# EAGLE board Mk4 Final Panel 8up 4x2 (EAGLE 9.0.1), part 11 of 23
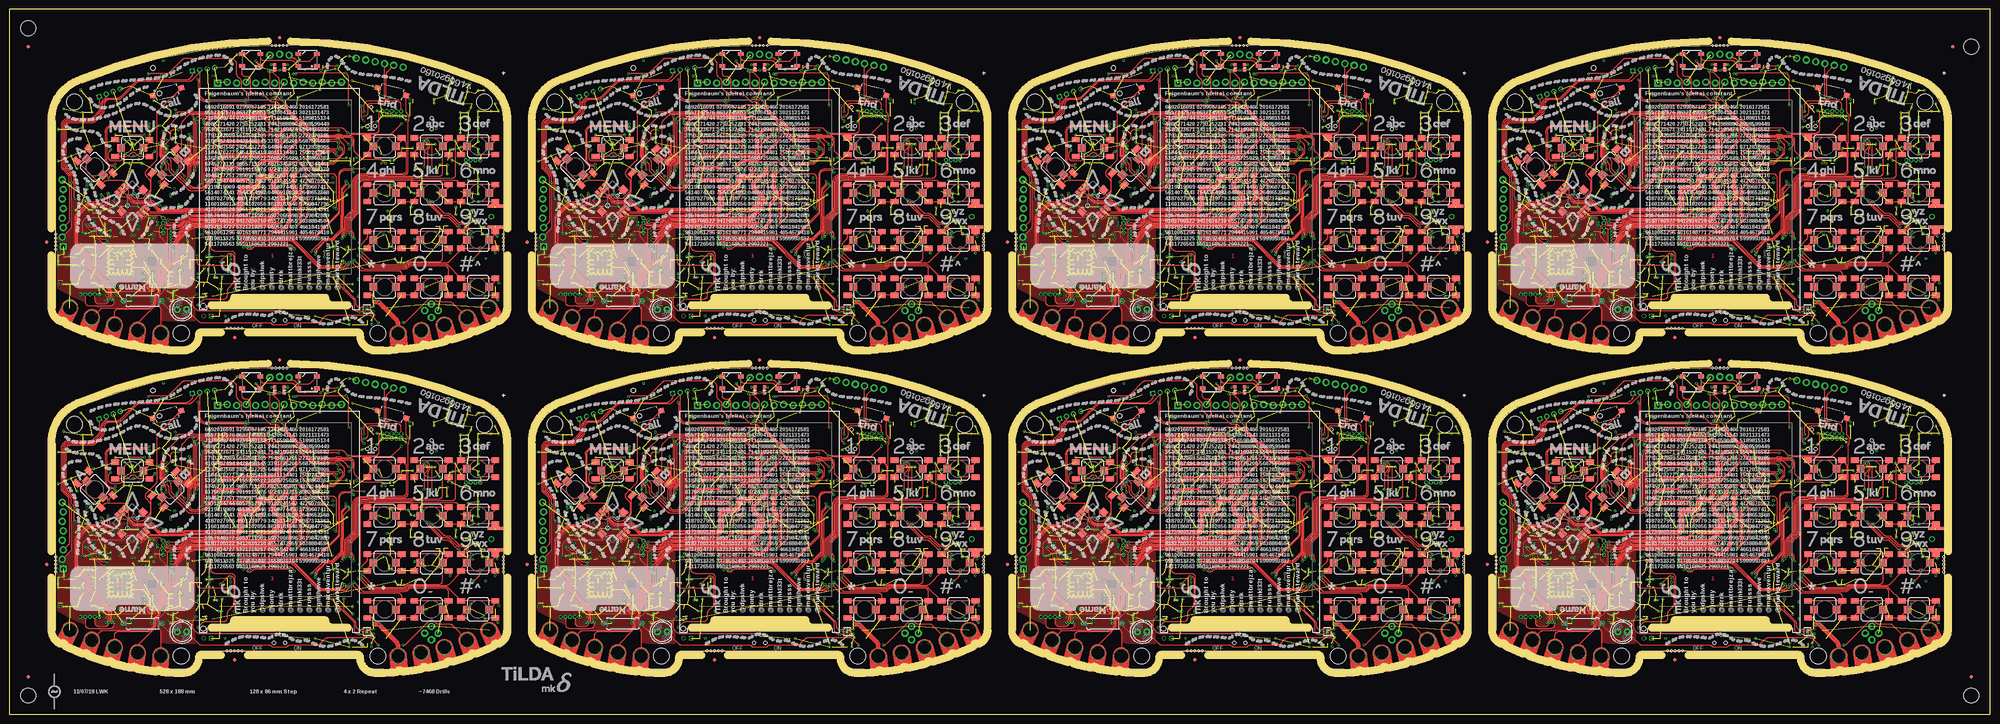
[diagram p0: board, top side]
## Tracks (layer width: path | path; a pad name or v marks a point on that pad's centre or on a via) (continued)
GMS_ANT_L2 (continued)
  Bottom 0.4: L22.2 C282.2 D6.1 128.25,132.5 J25.ANT J29.1
GMS_ANT_L3
  Bottom 0.4: L31.2 C390.2 D8.1 256.25,132.5 J35.ANT J39.1
GMS_ANT_L4
  Bottom 0.4: L40.2 C498.2 D10.1 384.25,46.5 J45.ANT J49.1
GMS_ANT_L5
  Bottom 0.4: L49.2 C606.2 D12.1 512.25,46.5 J55.ANT J59.1
GMS_ANT_L6
  Bottom 0.4: L58.2 C714.2 D14.1 384.25,132.5 J65.ANT J69.1
GMS_ANT_L7
  Bottom 0.4: L67.2 C822.2 D16.1 512.25,132.5 J75.ANT J79.1
GND  (via drill 0.3)  (433 unrouted)
  Top 0.15: IC17.3 96.3,22.65 96.25,22.6 IC17.2 | v95.3,21.5 IC17.PAD v95.3,22.5
  Top 0.2: 96.3,22.65 96.95,22.65 v97.05,22.75
  Top 0.3: S8.1 107.95,38.95 S8.A1 | S7.A1 95.45,38.95 S7.1 v97,39 | S10.A1 95.45,26 95.7,25.75 v97,25.75 S10.1 | S12.1 120.45,26.45 S12.A1 | S9.1 129.55,42.05 S9.A1 | 120.45,63.5 120.45,63.95 S3.1 v123.5,65.5 | 120.45,63.5 S3.A1 | S2.A1 107.95,63.95 S2.1 110,66 v111,66 | S1.A1 95.45,63.95 S1.1 98.25,65.5 v98.5,65.25 | S4.A1 95.45,51.45 S4.1 v98.5,53 | 107.95,51 107.95,51.45 S5.1 v108.05,53 | 107.95,51 S5.A1 | S1.A2 104.55,64.8 v104.75,65 | 120.2,63.25 120.45,63.5 | S6.A2 v125,50.75 | v123.5,53 S6.1 120.45,51.45 S6.A1 S5.A2 | 104.5,38.3 S7.A2 102.5,38.25 v102,38.75 | S8.1 109,41 | S12.A2 129.5,25.75 129.5,25.25 v130.25,24.5 | S11.A2 S12.A1 | v111,28 S11.1 107.95,26.45 S11.A1 S10.A2 | S4.A2 107.7,50.75 107.95,51 | S17.1 97.49,81.01 v97,81.5 | LED3.C v72.03,85.75 LED4.C | LED1.3 61.95,90 v60.75,90 | S3.A2 125.91,63.25 arc-45 125.21,63.54 v125,63.75 | 27.61,58.39 S13.A1 26.5,57.27 v26.5,57 25.62,57.88 S13.1 | S13.A2 21.57,65.21 arc-45 22.28,65.5 v22.5,65.5 | S12.A1 v122,25.75 | S2.A2 117.05,62.7 v118,61.75 | S8.1 109.25,40.75 v108,40.75 | S8.A2 117.5,37.8 v117.5,37 | S14.A2 v28.25,68.5 | S14.1 37.35,66.55 S14.A1 v37.35,68.5 | S16.1 38.5,78.72 v38.5,77.75 | S15.A1 40.81,55.19 v40,56 40.68,56.68 S15.1 | v46.5,60.5 47.61,61.61 S15.A2 | LED2.3 77.05,89.36 arc45 77.34,88.66 v77.4,88.6 | S9.A2 121.5,43.8 v121.5,44 | S9.A1 129.55,41.95 v130,41.5 | S9.A1 129.53,42.77 J7.G@4
  Top 0.4: S6.A2 129.53,50.73 J7.G@3
  GND@3 0.4: v34.45,40.85 31.8,38.2 v31.8,37.85 | v29.5,43.5 28.75,42.75 28.75,38.6 v29.5,37.85 | v27,43.1 27.75,42.35 27.75,38.4 v28.3,37.85
  Bottom 0.15: J2.32 68.75,50.25 | J2.31 69.25,50 | J2.30 69.75,50 | J2.29 70.25,50 | J2.28 70.75,50 | J2.27 71.25,50 | J2.26 71.75,50 | J2.25 72.25,50 | J2.24 72.75,50 | J2.23 73.25,50 | J2.22 73.75,50 | J2.21 74.25,50 | J2.20 74.75,50 | J2.19 75.25,50 | J2.18 75.75,50 | J2.17 76.25,50 | J2.16 76.75,50 | J2.15 77.25,50 | J2.14 77.75,50 | J2.13 78.25,50 | J2.12 78.75,50 | J2.11 79.25,50 | IC1.58 v65.6,68.8 | IC1.55 v65.6,67.6 | IC7.3 87.05,86 v86.85,86.2 | ANT2.3 118.79,83.9 v118.15,83.9 | v117.7,82.75 117.8,82.65 117.94,82.65 117.84,82.75 v117.7,82.75 | ANT2.2 118.05,82.4 v117.7,82.75 | ANT2.4 122.28,82.2 v122.75,82.2 | IC15.PAD v30.1,35.1 | IC15.PAD v28.9,35.1 | IC15.PAD v28.9,33.9 | IC15.PAD v30.1,33.9 | v28.9,36.3 29.5,36.9 v29.5,37.85 | v28.3,37.85 28.3,36.9 v27.7,36.3 27.75,36.35 | v31.3,36.3 31.3,37.35 v31.8,37.85 | v87.5,30.75 C102.2 88,31.5 arc90 88.5,32 88.5,32.5 arc90 88,33 IC16.2 87.46,33 arc45 87.1,32.85 86.9,32.65 arc-45 86.54,32.5 IC16.4 | C104.2 96.45,22.5 | v113.25,78 C54.2 | C57.2 v113.25,77 | C55.2 v106.75,78 | C53.2 v106.75,77 | v30.55,67.4 30.25,67.7 R74.2
  Bottom 0.2: C13.1 74.6,55.85 IC1.10 | IC1.17 71.8,56.01 arc-45 71.65,55.65 C12.1 v71.5,54.75 | IC1.48 63.46,64.8 arc-45 C10.1 | IC1.114 80.74,64.4 arc45 81.44,64.69 C9.1 | IC1.80 71.8,74.05 71.97,74.22 | X4.4 19.88,33.42 19.7,33.6 v18.9,33.6 | X4.2 21.73,29.07 v21.8,29 | IC4.23 87.8,38.75 arc-45 87.66,38.81 87.25,39.22 arc-90 87.25,39.25 | 87.25,39.25 v87.25,39.5 | IC4.24 87.25,39.25 | IC4.18 89,35.25 v88.75,35 | IC4.9 v93.25,38.25 | IC8.17 52.5,33.5 v52,33 IC8.18 | J1.GND4 123,28.05 | 96.45,22.5 arc45 v97.05,22.75 | v37.3,69.5 C106.2 | IC11.4 93.97,69.72 C78.1
  Bottom 0.25: J2.50 59.75,49.45 v60.25,49.95 | J2.49 v60.25,49.95 | J2.48 60.75,49.45 v60.25,49.95 | J2.43 63.25,50 | J2.6 v81.75,47.5 | v74,52.75 74,53.62 C14.1 74.25,54.12 C13.1 | v62,65.1 C10.1 | v82.25,64.75 C9.1 | v72,75 C11.1 71.97,74.22 | C8.1 C16.1 v73,76.45 | v61,69.25 R3.2 | C15.1 71.05,76.25 v71.65,75.65 | v81.5,20.25 S19.1 | v57.5,20.25 S20.1 | C19.1 v68.7,75 | C18.1 v64.1,75 | v77.5,76.45 C17.1 | R71.2 v31.25,27.75 | v33.35,65.95 IC13.PAD v32.8,65.5 | C46.2 44.88,27.23 | v91.45,83 C5.1 | v74.5,86 C3.1
  Bottom 0.3: 83.45,86.3 v84.15,85.6 | v38,39 R70.2 | v20.25,42.25 C60.1 | v22.5,43 22.62,42.88 C86.2 | v102.5,55.25 C69.2 | v101.5,55.25 C66.2 | v102.5,61.75 C65.2 | C67.2 v101.5,61.75 | IC5.8 106.1,54.65 v106.25,54.5 | R40.2 v100.75,52.25 | R38.2 v100.75,46.25 | R39.2 v100.75,48.25 | IC5.13 108.1,60.65 v108.25,60.5 | IC5.21 116.9,60.65 v116.75,60.5 | Q1.2 100.65,42.15 R30.2 v99.75,42 | C78.1 v94,70.5 | v98,72 97.91,72.09 JP4.5 | C71.1 v105.75,73.5 | IC12.7 99.19,61.81 R55.1 v99.25,61 | v107.5,65 C50.1 | v111,66 110.5,65.5 C49.1 | C48.1 v113.5,66 | J1.GND3 117.21,38.06 arc-45 117.5,37.36 v117.5,37 | 129.38,40.5 J1.GND2 129.5,40.59 arc-45 129.79,41.29 v130,41.5 | 130.17,38 J1.C4 129.79,37.74 arc45 129.5,37.04 v129.5,37 | v130.5,29 130.38,29 J1.GND1 | v115.25,26.25 R59.2 116.92,26.25 Q2.2 | C51.1 v126.75,25.5 | J1.C5 122.85,29.65 v123,29.5 123,28.05 | v115,29.5 115.23,29.27 116.25,29.27 J1.GND6 | C2.1 v82.25,59 | C7.1 v85,62.25 | C6.1 v85,63.5 | Q8.4 Q8.EP2 | C28.1 v57.5,54.25 | IC2.28 43.07,54.25 v44,54.25 | C24.1 v40,66.25 | IC2.46 44.2,68.7 v44.25,68.75 | C27.1 v40,71 | IC2.54 43.89,75.1 arc45 v44.25,75.25 | IC2.52 v44.25,73.5 | C26.1 v56.75,75.75 | C22.1 v57.5,73.5 | IC2.6 53.4,71.1 v53.25,71.25 | C23.1 v57.5,68.75 | C25.1 v57.5,64.75 | R15.1 v59,35.25 | R17.2 v59,36.25 | R19.2 54.15,41.5 arc45 v54.75,41.75 | v38,52 C42.1 | v38.75,52 38.75,51.5 C42.1 | v37.25,52 37.25,51.5 C42.1 | IC2.12 53.3,66.3 v53.25,66.25 | R63.2 v21.25,48.45 | R64.2 v22.25,48.45 | R51.2 v91,60.5 | v32.05,60.95 C58.2 | v114.75,60.5 114.7,60.55 IC5.19 114.7,63.2 v114.75,63.25 | R61.2 41.95,27.5 v42.2,27.75 | IC4.25 v89.5,38 | v72.6,78.55 72.67,78.55 X2.4 | X2.2 76.83,78.55 v76.95,78.55 | v88.5,87.5 C20.1
  Bottom 0.3: v90.6,89.5 R7.2 | C4.1 v82.75,80.5 | C70.1 v89.9,62.45 | J10.8 J10.4 | J8.8 J8.4 | IC2.41 42.05,64.7 v42,64.75 | J1.GND5 123.11,40.91 v123.5,41.3 122.94,41.3 arc-45 122.23,41.59 IC10.3 | IC5.33 119.3,46.95 v119,47.25 | v123.45,51.6 C72.1 | v122.7,46.5 D2.2 | v122.7,47.5 C73.1 | v17.75,36.75 C76.1 | v14.5,36.75 C77.1 | 38.55,42.8 C87.2 37.95,42.8 | IC3.2 v96.6,19 | C107.2 v90.6,18 | IC3.3 v96.6,18 | v119,49.25 119.1,49.15 IC5.31
  Bottom 0.35: v38.55,42 38.55,42.8 | v37.95,42 37.95,42.8
  Bottom 0.4: C89.2 34.1,40.5 v34.45,40.85 | v37.25,39.5 C61.2 | v38,37.75 C95.2 | C84.2 34.12,45.62 v34.25,45.5 | C84.2 v33.25,46.75 | v32,46.75 C85.2 C84.2 | C90.2 28.9,42.9 v29.5,43.5 29.4,43.4 | C88.2 v27,43.1 | v25.5,43.4 26.1,42.8 C44.2 | v40.5,34.25 C100.1 | v40.5,35.25 C101.1 | v38.25,30.75 C96.2 | C92.2 v36,33 | C59.1 v27.75,49.25 | C98.1 v22.95,33.5 | C94.2 v22.25,34.25 | C62.2 v22.25,35.25 | C99.1 v22.95,29 | R62.2 v24,27.5 | R65.2 v25,27.5 | R72.2 v26,25.75 | C97.2 v29,25.75 | C91.2 v28,25.75 | v38.5,40.75 C93.2 37.4,41.64 arc45 v37.25,42 | IC14.4 21.12,54.16 arc45 v20.75,54 | v38.25,28.75 R25.2 | v85.5,38.5 C21.1 | v50.25,30.5 50.85,30.5 C40.2 50.85,31.5 v50.25,31.5 | S18.2 71.4,21 v72.25,21 | Q8.EP2 86.4,49.35 v86.5,49.25 | v86.5,53.25 v86.5,53.24 IC6.4 | 48.75,40.75 C41.2 48.38,40.25 v47.5,40.25 | 48.62,41 v47.5,41 | C36.2 47.6,39.4 v47.5,39.5 | v47.25,37.25 47.25,36.33 C39.1 | 13,33.6 v13,33.75 ANT1.4 | ANT1.3 v13,28.75 | ANT1.2 14.25,29.7 v14.25,28.75 | C43.1 v38,25 | C43.1 37.5,25.75 v38,25.75 | C43.1 37.5,24.25 v38,24.25 | J9.4 40.94,83.81 v40.5,84.25 | C1.2 65.88,86.62 v65.75,86.75 | IC18.3 99.26,20.15 arc-45 98.56,20.44 C108.2 97.68,20.68 arc-45 v97.25,20.5 | TP17.TP 43.75,32.1 v43.6,31.95
  Bottom 0.5: v24.35,48.05 24.35,47.5 C63.2 23.35,47.5 v23.35,48.05
  Bottom 1: J5.1 93.05,26.8 C34.2 | C34.2 91.6,26.85 v91.5,26.75 | C34.2 v93,25.5 | v58.35,32 C35.2 56.65,30.85 v56.75,30.75
  other vias: 69.25,50.25 78.75,50.25 62.9,53.15 32.8,66.4 32.25,65.95 122.7,60.1 122.35,56.35 122,80 121.5,78.5 121,77 119.5,77 118,77.5 117,77.75 116.25,79 116.75,80.25 117.25,81.75 27.7,35.1 27.7,33.9 27.7,32.7 28.9,32.7 30.1,32.7 31.3,32.7 31.3,33.9 31.3,35.1 30.1,36.3 23,39.25 23,36.35 19,31.2 18.25,28.75 17.25,28.75 16.25,28.75 15.25,28.75 18,33.75 17,33.75 16,33.75 15.2,33.75 91,38 90.25,38.75 90.25,37.25 101.25,39.5 101.25,38.75 126,42 125,52.75 125,54.65 125,56.75 125,58.75 125,64.75 125,66.75 125,68.75 125,73.25 125,74.85 128.4,74.85 130.4,74.85 53.25,36 54,36 53.25,36.75 53.25,35.25 52.5,36 35.3,60.95 30.55,60.95 30.55,63.45 35.05,63.55 35.05,67.45 43.7,26.85 43.7,26.35 43.7,25.35 43.7,25.85 42.9,24.25 43.6,24.25 42.6,31.95 42.5,30.95 42.5,28.75 42.5,29.55 26.75,35.1 26.75,33.9 26.75,32.7 26.75,36.3 32.25,35.1 32.25,33.9 32.25,32.7 32.25,36.3 27.7,31.75 28.9,31.75 30.1,31.75 31.3,31.75 27.7,37.25 28.9,37.25 30.1,37.25 31.3,37.25 32.25,31.75 32.25,37.25 26.75,37.25 26.75,31.75 30.7,37.85 27.2,37.85 26.15,37.85 26.15,36.8 29.5,31.15 30.7,31.15 31.9,31.15 28.3,31.15 27.2,31.15 32.85,34.45 32.85,33.25 32.85,32.05 32.85,35.65 26.15,34.5 26.15,33.3 26.15,32.2 26.15,35.7 32.85,36.75 32.85,37.85 32.85,31.15 26.15,31.15 126.7,44 125.7,44 127.5,42 122,50.2 16.5,70 16.5,63 19.5,70.5 19.5,74.5 22,74.5 19,80.5 14.5,75.5 13,70 13,61.5 18,59.5 19.25,50.25 13,36.5 110,47.25 107,47.25 107,49.25 107,53.25 114,53.25 116.7,58.1 114,58.75 120,60.75 123.5,45.5 123.25,48.5 125,70.25 125,71.75 123,75.85 125,80.35 129.5,76.85 126.5,80.35 121.85,46.95 125,45.5 18.6,36.95 19.35,34.45 19.85,34.95 22,36.7 21,38.7 22,38.7 20.1,38.6 122.25,74.5 120.25,74.5 122.25,73 120.25,73 122.25,71.5 120.25,71.5 122.25,70 120.25,70 122.25,68.5 120.25,69 118.75,67 118.25,64.75 117.5,64.5 119.75,65 120.5,65.25 122,67 17.75,48.5 16,36.15 13,34.85 110,58.25 110,54.5 110,55.9
  pour GND@3 (isolate 0.254, rank 6): 12.2,74.5 12.2,21 arc31 44,12 46.7,12 arc90 49.5,14.8 arc-90 51.5,16.8 92.5,16.8 arc-90 94.5,14.8 arc90 97.3,12 100,12 arc31 131.8,21 131.8,44.5 125.5,44.5 125.5,74.5 131.8,74.5 arc64 125.25,82.25 arc24 72,92.5 arc24 18.75,82.25 arc55
  pour Bottom (rank 6): 79.25,48.9 79.25,50.25 79,50.5 69,50.5 68.75,50.25 68.75,48.9
  pour Bottom (isolate 0.254, rank 6): 12.2,74.5 12.2,28 arc9 23,23 23,35 25,35 25,41 23,41 23,43 arc90 22,44 21,44 arc-90 20,45 20,65.71 arc-90 32.79,78.5 40.5,78.5 44,82 102.5,81.5 arc-90 105,79 105,44.5 116.09,44.5 arc-45 116.79,44.21 119.21,41.79 arc45 119.91,41.5 131.8,41.5 131.8,44.5 125.5,44.5 125.5,74.5 131.8,74.5 arc64 125.25,82.25 arc24 72,92.5 arc24 18.75,82.25 arc55
  pour Bottom (rank 2, no thermals): 113.5,45 115,45 115,42.5 114.41,42.5 arc45 113.71,42.21 113.29,41.79 arc45 113,41.09 113,39 arc-90 112,38 101.5,38 arc-90 100.5,39 arc-90 101.5,40 109.75,40 arc90 110.75,41 110.75,41.09 arc-45 111.04,41.79 111.71,42.46 arc-45 112.41,42.75 112.59,42.75 arc45 113.29,43.04 113.5,43.25
  pour Bottom (no thermals): 63.5,51.5 63.5,50.2 63.3,50 63.2,50 63,50.2 63,51.25 62.5,51.75 62.5,53.3 62.7,53.5 63.05,53.5 63.25,53.3 63.25,51.75
  pour Bottom: 35.55,60.95 35.55,66.95 arc90 34.55,67.95 31.05,67.95 arc90 30.05,66.95 30.05,60.95 arc90 31.05,59.95 34.55,59.95 arc90
  pour Bottom (no thermals): 49.4,39 49.4,40.1 49.2,40.3 49.2,41.05 49,41.25 47.75,41.25 47.25,40.75 47.25,39.25 47.5,39
  pour Bottom (no thermals): 43.9,26.8 43.9,24.3 arc-90 43.4,23.8 42.45,23.8 arc-90 41.95,24.3 41.95,31.65 arc-90 42.45,32.15 43.55,32.15 arc-90 44.05,31.65 44.05,28.1 arc90 44.55,27.6 45.8,27.6 45.85,27.55 45.85,26.9 45.75,26.8
  pour Top (rank 6): 12.2,51 12.2,28 arc34 49,19 49.5,19 49.5,51
GND1  (via drill 0.3)  (433 unrouted)
  Top 0.15: IC34.3 224.3,22.65 224.25,22.6 IC34.2 | v223.3,21.5 IC34.PAD v223.3,22.5
  Top 0.2: 224.3,22.65 224.95,22.65 v225.05,22.75
  Top 0.3: S28.1 235.95,38.95 S28.A1 | S24.A1 223.45,38.95 S24.1 v225,39 | S25.A1 223.45,26 223.7,25.75 v225,25.75 S25.1 | S33.1 248.45,26.45 S33.A1 | S32.1 257.55,42.05 S32.A1 | 248.45,63.5 248.45,63.95 S30.1 v251.5,65.5 | 248.45,63.5 S30.A1 | S26.A1 235.95,63.95 S26.1 238,66 v239,66 | S21.A1 223.45,63.95 S21.1 226.25,65.5 v226.5,65.25 | S23.A1 223.45,51.45 S23.1 v226.5,53 | 235.95,51 235.95,51.45 S27.1 v236.05,53 | 235.95,51 S27.A1 | S21.A2 232.55,64.8 v232.75,65 | 248.2,63.25 248.45,63.5 | S31.A2 v253,50.75 | v251.5,53 S31.1 248.45,51.45 S31.A1 S27.A2 | 232.5,38.3 S24.A2 230.5,38.25 v230,38.75 | S28.1 237,41 | S33.A2 257.5,25.75 257.5,25.25 v258.25,24.5 | S29.A2 S33.A1 | v239,28 S29.1 235.95,26.45 S29.A1 S25.A2 | S23.A2 235.7,50.75 235.95,51 | S38.1 225.49,81.01 v225,81.5 | LED9.C v200.03,85.75 LED10.C | LED7.3 189.95,90 v188.75,90 | S30.A2 253.91,63.25 arc-45 253.21,63.54 v253,63.75 | 155.61,58.39 S35.A1 154.5,57.27 v154.5,57 153.62,57.88 S35.1 | S35.A2 149.57,65.21 arc-45 150.28,65.5 v150.5,65.5 | S33.A1 v250,25.75 | S26.A2 245.05,62.7 v246,61.75 | S28.1 237.25,40.75 v236,40.75 | S28.A2 245.5,37.8 v245.5,37 | S36.A2 v156.25,68.5 | S36.1 165.35,66.55 S36.A1 v165.35,68.5 | S37.1 166.5,78.72 v166.5,77.75 | S34.A1 168.81,55.19 v168,56 168.68,56.68 S34.1 | v174.5,60.5 175.61,61.61 S34.A2 | LED8.3 205.05,89.36 arc45 205.34,88.66 v205.4,88.6 | S32.A2 249.5,43.8 v249.5,44 | S32.A1 257.55,41.95 v258,41.5 | S32.A1 257.53,42.77 J19.G@4
  Top 0.4: S31.A2 257.53,50.73 J19.G@3
  GND@3 0.4: v162.45,40.85 159.8,38.2 v159.8,37.85 | v157.5,43.5 156.75,42.75 156.75,38.6 v157.5,37.85 | v155,43.1 155.75,42.35 155.75,38.4 v156.3,37.85
  Bottom 0.15: J6.32 196.75,50.25 | J6.31 197.25,50 | J6.30 197.75,50 | J6.29 198.25,50 | J6.28 198.75,50 | J6.27 199.25,50 | J6.26 199.75,50 | J6.25 200.25,50 | J6.24 200.75,50 | J6.23 201.25,50 | J6.22 201.75,50 | J6.21 202.25,50 | J6.20 202.75,50 | J6.19 203.25,50 | J6.18 203.75,50 | J6.17 204.25,50 | J6.16 204.75,50 | J6.15 205.25,50 | J6.14 205.75,50 | J6.13 206.25,50 | J6.12 206.75,50 | J6.11 207.25,50 | IC20.58 v193.6,68.8 | IC20.55 v193.6,67.6 | IC23.3 215.05,86 v214.85,86.2 | ANT4.3 246.79,83.9 v246.15,83.9 | v245.7,82.75 245.8,82.65 245.94,82.65 245.84,82.75 v245.7,82.75 | ANT4.2 246.05,82.4 v245.7,82.75 | ANT4.4 250.28,82.2 v250.75,82.2 | IC29.PAD v158.1,35.1 | IC29.PAD v156.9,35.1 | IC29.PAD v156.9,33.9 | IC29.PAD v158.1,33.9 | v156.9,36.3 157.5,36.9 v157.5,37.85 | v156.3,37.85 156.3,36.9 v155.7,36.3 155.75,36.35 | v159.3,36.3 159.3,37.35 v159.8,37.85 | v215.5,30.75 C210.2 216,31.5 arc90 216.5,32 216.5,32.5 arc90 216,33 IC32.2 215.46,33 arc45 215.1,32.85 214.9,32.65 arc-45 214.54,32.5 IC32.4 | C212.2 224.45,22.5 | v241.25,78 C161.2 | C164.2 v241.25,77 | C162.2 v234.75,78 | C160.2 v234.75,77 | v158.55,67.4 158.25,67.7 R155.2
  Bottom 0.2: C123.1 202.6,55.85 IC20.10 | IC20.17 199.8,56.01 arc-45 199.65,55.65 C122.1 v199.5,54.75 | IC20.48 191.46,64.8 arc-45 C120.1 | IC20.114 208.74,64.4 arc45 209.44,64.69 C119.1 | IC20.80 199.8,74.05 199.97,74.22 | X8.4 147.88,33.42 147.7,33.6 v146.9,33.6 | X8.2 149.72,29.07 v149.8,29 | IC31.23 215.8,38.75 arc-45 215.66,38.81 215.25,39.22 arc-90 215.25,39.25 | 215.25,39.25 v215.25,39.5 | IC31.24 215.25,39.25 | IC31.18 217,35.25 v216.75,35 | IC31.9 v221.25,38.25 | IC24.17 180.5,33.5 v180,33 IC24.18 | J14.GND4 251,28.05 | 224.45,22.5 arc45 v225.05,22.75 | v165.3,69.5 C214.2 | IC26.4 221.97,69.72 C179.1
  Bottom 0.25: J6.50 187.75,49.45 v188.25,49.95 | J6.49 v188.25,49.95 | J6.48 188.75,49.45 v188.25,49.95 | J6.43 191.25,50 | J6.6 v209.75,47.5 | v202,52.75 202,53.62 C124.1 202.25,54.12 C123.1 | v190,65.1 C120.1 | v210.25,64.75 C119.1 | v200,75 C121.1 199.97,74.22 | C118.1 C126.1 v201,76.45 | v189,69.25 R87.2 | C125.1 199.05,76.25 v199.65,75.65 | v209.5,20.25 S40.1 | v185.5,20.25 S41.1 | C129.1 v196.7,75 | C128.1 v192.1,75 | v205.5,76.45 C127.1 | R149.2 v159.25,27.75 | v161.35,65.95 IC28.PAD v160.8,65.5 | C144.2 172.88,27.23 | v219.45,83 C115.1 | v202.5,86 C113.1
  Bottom 0.3: 211.45,86.3 v212.15,85.6 | v166,39 R148.2 | v148.25,42.25 C187.1 | v150.5,43 150.62,42.88 C192.2 | v230.5,55.25 C170.2 | v229.5,55.25 C167.2 | v230.5,61.75 C166.2 | C168.2 v229.5,61.75 | IC21.8 234.1,54.65 v234.25,54.5 | R122.2 v228.75,52.25 | R114.2 v228.75,46.25 | R121.2 v228.75,48.25 | IC21.13 236.1,60.65 v236.25,60.5 | IC21.21 244.9,60.65 v244.75,60.5 | Q6.2 228.65,42.15 R112.2 v227.75,42 | C179.1 v222,70.5 | v226,72 225.91,72.09 JP10.5 | C172.1 v233.75,73.5 | IC27.7 227.19,61.81 R133.1 v227.25,61 | v235.5,65 C157.1 | v239,66 238.5,65.5 C156.1 | C155.1 v241.5,66 | J14.GND3 245.21,38.06 arc-45 245.5,37.36 v245.5,37 | 257.38,40.5 J14.GND2 257.5,40.59 arc-45 257.79,41.29 v258,41.5 | 258.17,38 J14.C4 257.79,37.74 arc45 257.5,37.04 v257.5,37 | v258.5,29 258.38,29 J14.GND1 | v243.25,26.25 R137.2 244.93,26.25 Q5.2 | C158.1 v254.75,25.5 | J14.C5 250.85,29.65 v251,29.5 251,28.05 | v243,29.5 243.23,29.27 244.25,29.27 J14.GND6 | C112.1 v210.25,59 | C117.1 v213,62.25 | C116.1 v213,63.5 | Q4.4 Q4.EP2 | C138.1 v185.5,54.25 | IC19.28 171.07,54.25 v172,54.25 | C134.1 v168,66.25 | IC19.46 172.2,68.7 v172.25,68.75 | C137.1 v168,71 | IC19.54 171.89,75.1 arc45 v172.25,75.25 | IC19.52 v172.25,73.5 | C136.1 v184.75,75.75 | C132.1 v185.5,73.5 | IC19.6 181.4,71.1 v181.25,71.25 | C133.1 v185.5,68.75 | C135.1 v185.5,64.75 | R97.1 v187,35.25 | R99.2 v187,36.25 | R101.2 182.15,41.5 arc45 v182.75,41.75 | v166,52 C153.1 | v166.75,52 166.75,51.5 C153.1 | v165.25,52 165.25,51.5 C153.1 | IC19.12 181.3,66.3 v181.25,66.25 | R141.2 v149.25,48.45 | R142.2 v150.25,48.45 | R129.2 v219,60.5 | v160.05,60.95 C185.2 | v242.75,60.5 242.7,60.55 IC21.19 242.7,63.2 v242.75,63.25 | R139.2 169.95,27.5 v170.2,27.75
  Bottom 0.3: IC31.25 v217.5,38 | v200.6,78.55 200.68,78.55 X6.4 | X6.2 204.82,78.55 v204.95,78.55 | v216.5,87.5 C130.1 | v218.6,89.5 R91.2 | C114.1 v210.75,80.5 | C171.1 v217.9,62.45 | J16.8 J16.4 | J18.8 J18.4 | IC19.41 170.05,64.7 v170,64.75 | J14.GND5 251.11,40.91 v251.5,41.3 250.94,41.3 arc-45 250.23,41.59 IC25.3 | IC21.33 247.3,46.95 v247,47.25 | v251.45,51.6 C173.1 | v250.7,46.5 D4.2 | v250.7,47.5 C174.1 | v145.75,36.75 C177.1 | v142.5,36.75 C178.1 | 166.55,42.8 C195.2 165.95,42.8 | IC35.2 v224.6,19 | C215.2 v218.6,18 | IC35.3 v224.6,18 | v247,49.25 247.1,49.15 IC21.31
  Bottom 0.35: v166.55,42 166.55,42.8 | v165.95,42 165.95,42.8
  Bottom 0.4: C197.2 162.1,40.5 v162.45,40.85 | v165.25,39.5 C191.2 | v166,37.75 C203.2 | C193.2 162.12,45.62 v162.25,45.5 | C193.2 v161.25,46.75 | v160,46.75 C194.2 C193.2 | C198.2 156.9,42.9 v157.5,43.5 157.4,43.4 | C196.2 v155,43.1 | v153.5,43.4 154.1,42.8 C190.2 | v168.5,34.25 C208.1 | v168.5,35.25 C209.1 | v166.25,30.75 C204.2 | C200.2 v164,33 | C186.1 v155.75,49.25 | C206.1 v150.95,33.5 | C202.2 v150.25,34.25 | C188.2 v150.25,35.25 | C207.1 v150.95,29 | R140.2 v152,27.5 | R143.2 v153,27.5 | R150.2 v154,25.75 | C205.2 v157,25.75 | C199.2 v156,25.75 | v166.5,40.75 C201.2 165.4,41.64 arc45 v165.25,42 | IC30.4 149.12,54.16 arc45 v148.75,54 | v166.25,28.75 R107.2 | v213.5,38.5 C131.1 | v178.25,30.5 178.85,30.5 C151.2 178.85,31.5 v178.25,31.5 | S39.2 199.4,21 v200.25,21 | Q4.EP2 214.4,49.35 v214.5,49.25 | v214.5,53.25 v214.5,53.24 IC22.4 | 176.75,40.75 C152.2 176.38,40.25 v175.5,40.25 | 176.62,41 v175.5,41 | C148.2 175.6,39.4 v175.5,39.5 | v175.25,37.25 175.25,36.33 C149.1 | 141,33.6 v141,33.75 ANT3.4 | ANT3.3 v141,28.75 | ANT3.2 142.25,29.7 v142.25,28.75 | C154.1 v166,25 | C154.1 165.5,25.75 v166,25.75 | C154.1 165.5,24.25 v166,24.25 | J17.4 168.94,83.81 v168.5,84.25 | C111.2 193.88,86.62 v193.75,86.75 | IC36.3 227.26,20.15 arc-45 226.56,20.44 C216.2 225.68,20.68 arc-45 v225.25,20.5 | TP36.TP 171.75,32.1 v171.6,31.95
  Bottom 0.5: v152.35,48.05 152.35,47.5 C189.2 151.35,47.5 v151.35,48.05
  Bottom 1: J12.1 221.05,26.8 C146.2 | C146.2 219.6,26.85 v219.5,26.75 | C146.2 v221,25.5 | v186.35,32 C147.2 184.65,30.85 v184.75,30.75
  other vias: 197.25,50.25 206.75,50.25 190.9,53.15 160.8,66.4 160.25,65.95 250.7,60.1 250.35,56.35 250,80 249.5,78.5 249,77 247.5,77 246,77.5 245,77.75 244.25,79 244.75,80.25 245.25,81.75 155.7,35.1 155.7,33.9 155.7,32.7 156.9,32.7 158.1,32.7 159.3,32.7 159.3,33.9 159.3,35.1 158.1,36.3 151,39.25 151,36.35 147,31.2 146.25,28.75 145.25,28.75 144.25,28.75 143.25,28.75 146,33.75 145,33.75 144,33.75 143.2,33.75 219,38 218.25,38.75 218.25,37.25 229.25,39.5 229.25,38.75 254,42 253,52.75 253,54.65 253,56.75 253,58.75 253,64.75 253,66.75 253,68.75 253,73.25 253,74.85 256.4,74.85 258.4,74.85 181.25,36 182,36 181.25,36.75 181.25,35.25 180.5,36 163.3,60.95 158.55,60.95 158.55,63.45 163.05,63.55 163.05,67.45 171.7,26.85 171.7,26.35 171.7,25.35 171.7,25.85 170.9,24.25 171.6,24.25 170.6,31.95 170.5,30.95 170.5,28.75 170.5,29.55 154.75,35.1 154.75,33.9 154.75,32.7 154.75,36.3 160.25,35.1 160.25,33.9 160.25,32.7 160.25,36.3 155.7,31.75 156.9,31.75 158.1,31.75 159.3,31.75 155.7,37.25 156.9,37.25 158.1,37.25 159.3,37.25 160.25,31.75 160.25,37.25 154.75,37.25 154.75,31.75 158.7,37.85 155.2,37.85 154.15,37.85 154.15,36.8 157.5,31.15 158.7,31.15 159.9,31.15 156.3,31.15 155.2,31.15 160.85,34.45 160.85,33.25 160.85,32.05 160.85,35.65 154.15,34.5 154.15,33.3 154.15,32.2 154.15,35.7 160.85,36.75 160.85,37.85 160.85,31.15 154.15,31.15 254.7,44 253.7,44 255.5,42 250,50.2 144.5,70 144.5,63 147.5,70.5 147.5,74.5 150,74.5 147,80.5 142.5,75.5 141,70 141,61.5 146,59.5 147.25,50.25 141,36.5 238,47.25 235,47.25 235,49.25 235,53.25 242,53.25 244.7,58.1 242,58.75 248,60.75 251.5,45.5 251.25,48.5 253,70.25 253,71.75 251,75.85 253,80.35 257.5,76.85 254.5,80.35 249.85,46.95 253,45.5 146.6,36.95 147.35,34.45 147.85,34.95 150,36.7 149,38.7 150,38.7 148.1,38.6 250.25,74.5 248.25,74.5 250.25,73 248.25,73 250.25,71.5 248.25,71.5 250.25,70 248.25,70 250.25,68.5 248.25,69 246.75,67 246.25,64.75 245.5,64.5 247.75,65 248.5,65.25 250,67 145.75,48.5 144,36.15 141,34.85 238,58.25 238,54.5 238,55.9
  pour GND@3 (isolate 0.254, rank 6): 140.2,74.5 140.2,21 arc31 172,12 174.7,12 arc90 177.5,14.8 arc-90 179.5,16.8 220.5,16.8 arc-90 222.5,14.8 arc90 225.3,12 228,12 arc31 259.8,21 259.8,44.5 253.5,44.5 253.5,74.5 259.8,74.5 arc64 253.25,82.25 arc24 200,92.5 arc24 146.75,82.25 arc55
  pour Bottom (rank 6): 207.25,48.9 207.25,50.25 207,50.5 197,50.5 196.75,50.25 196.75,48.9
  pour Bottom (isolate 0.254, rank 6): 140.2,74.5 140.2,28 arc9 151,23 151,35 153,35 153,41 151,41 151,43 arc90 150,44 149,44 arc-90 148,45 148,65.71 arc-90 160.79,78.5 168.5,78.5 172,82 230.5,81.5 arc-90 233,79 233,44.5 244.09,44.5 arc-45 244.79,44.21 247.21,41.79 arc45 247.91,41.5 259.8,41.5 259.8,44.5 253.5,44.5 253.5,74.5 259.8,74.5 arc64 253.25,82.25 arc24 200,92.5 arc24 146.75,82.25 arc55
  pour Bottom (rank 2, no thermals): 241.5,45 243,45 243,42.5 242.41,42.5 arc45 241.71,42.21 241.29,41.79 arc45 241,41.09 241,39 arc-90 240,38 229.5,38 arc-90 228.5,39 arc-90 229.5,40 237.75,40 arc90 238.75,41 238.75,41.09 arc-45 239.04,41.79 239.71,42.46 arc-45 240.41,42.75 240.59,42.75 arc45 241.29,43.04 241.5,43.25
  pour Bottom (no thermals): 191.5,51.5 191.5,50.2 191.3,50 191.2,50 191,50.2 191,51.25 190.5,51.75 190.5,53.3 190.7,53.5 191.05,53.5 191.25,53.3 191.25,51.75
  pour Bottom: 163.55,60.95 163.55,66.95 arc90 162.55,67.95 159.05,67.95 arc90 158.05,66.95 158.05,60.95 arc90 159.05,59.95 162.55,59.95 arc90
  pour Bottom (no thermals): 177.4,39 177.4,40.1 177.2,40.3 177.2,41.05 177,41.25 175.75,41.25 175.25,40.75 175.25,39.25 175.5,39
  pour Bottom (no thermals): 171.9,26.8 171.9,24.3 arc-90 171.4,23.8 170.45,23.8 arc-90 169.95,24.3 169.95,31.65 arc-90 170.45,32.15 171.55,32.15 arc-90 172.05,31.65 172.05,28.1 arc90 172.55,27.6 173.8,27.6 173.85,27.55 173.85,26.9 173.75,26.8
  pour Top (rank 6): 140.2,51 140.2,28 arc34 177,19 177.5,19 177.5,51
GND2  (via drill 0.3)  (433 unrouted)
  Top 0.15: IC52.3 96.3,108.65 96.25,108.6 IC52.2 | v95.3,107.5 IC52.PAD v95.3,108.5
  Top 0.2: 96.3,108.65 96.95,108.65 v97.05,108.75
  Top 0.3: S49.1 107.95,124.95 S49.A1 | S45.A1 95.45,124.95 S45.1 v97,125 | S46.A1 95.45,112 95.7,111.75 v97,111.75 S46.1 | S54.1 120.45,112.45 S54.A1 | S53.1 129.55,128.05 S53.A1 | 120.45,149.5 120.45,149.95 S51.1 v123.5,151.5 | 120.45,149.5 S51.A1 | S47.A1 107.95,149.95 S47.1 110,152 v111,152 | S43.A1 95.45,149.95 S43.1 98.25,151.5 v98.5,151.25 | S44.A1 95.45,137.45 S44.1 v98.5,139 | 107.95,137 107.95,137.45 S48.1 v108.05,139 | 107.95,137 S48.A1 | S43.A2 104.55,150.8 v104.75,151 | 120.2,149.25 120.45,149.5 | S52.A2 v125,136.75 | v123.5,139 S52.1 120.45,137.45 S52.A1 S48.A2 | 104.5,124.3 S45.A2 102.5,124.25 v102,124.75 | S49.1 109,127 | S54.A2 129.5,111.75 129.5,111.25 v130.25,110.5 | S50.A2 S54.A1 | v111,114 S50.1 107.95,112.45 S50.A1 S46.A2 | S44.A2 107.7,136.75 107.95,137 | S59.1 97.49,167.01 v97,167.5 | LED15.C v72.03,171.75 LED16.C | LED13.3 61.95,176 v60.75,176 | S51.A2 125.91,149.25 arc-45 125.21,149.54 v125,149.75 | 27.61,144.39 S56.A1 26.5,143.26 v26.5,143 25.62,143.88 S56.1 | S56.A2 21.57,151.21 arc-45 22.28,151.5 v22.5,151.5 | S54.A1 v122,111.75 | S47.A2 117.05,148.7 v118,147.75 | S49.1 109.25,126.75 v108,126.75 | S49.A2 117.5,123.8 v117.5,123 | S57.A2 v28.25,154.5 | S57.1 37.35,152.55 S57.A1 v37.35,154.5 | S58.1 38.5,164.72 v38.5,163.75 | S55.A1 40.81,141.19 v40,142 40.68,142.68 S55.1 | v46.5,146.5 47.61,147.61 S55.A2 | LED14.3 77.05,175.36 arc45 77.34,174.66 v77.4,174.6 | S53.A2 121.5,129.8 v121.5,130 | S53.A1 129.55,127.95 v130,127.5 | S53.A1 129.53,128.76 J29.G@4